# Altium PCB pay-ssm-v4-1.PcbDoc (part 1 of 2) (continued)
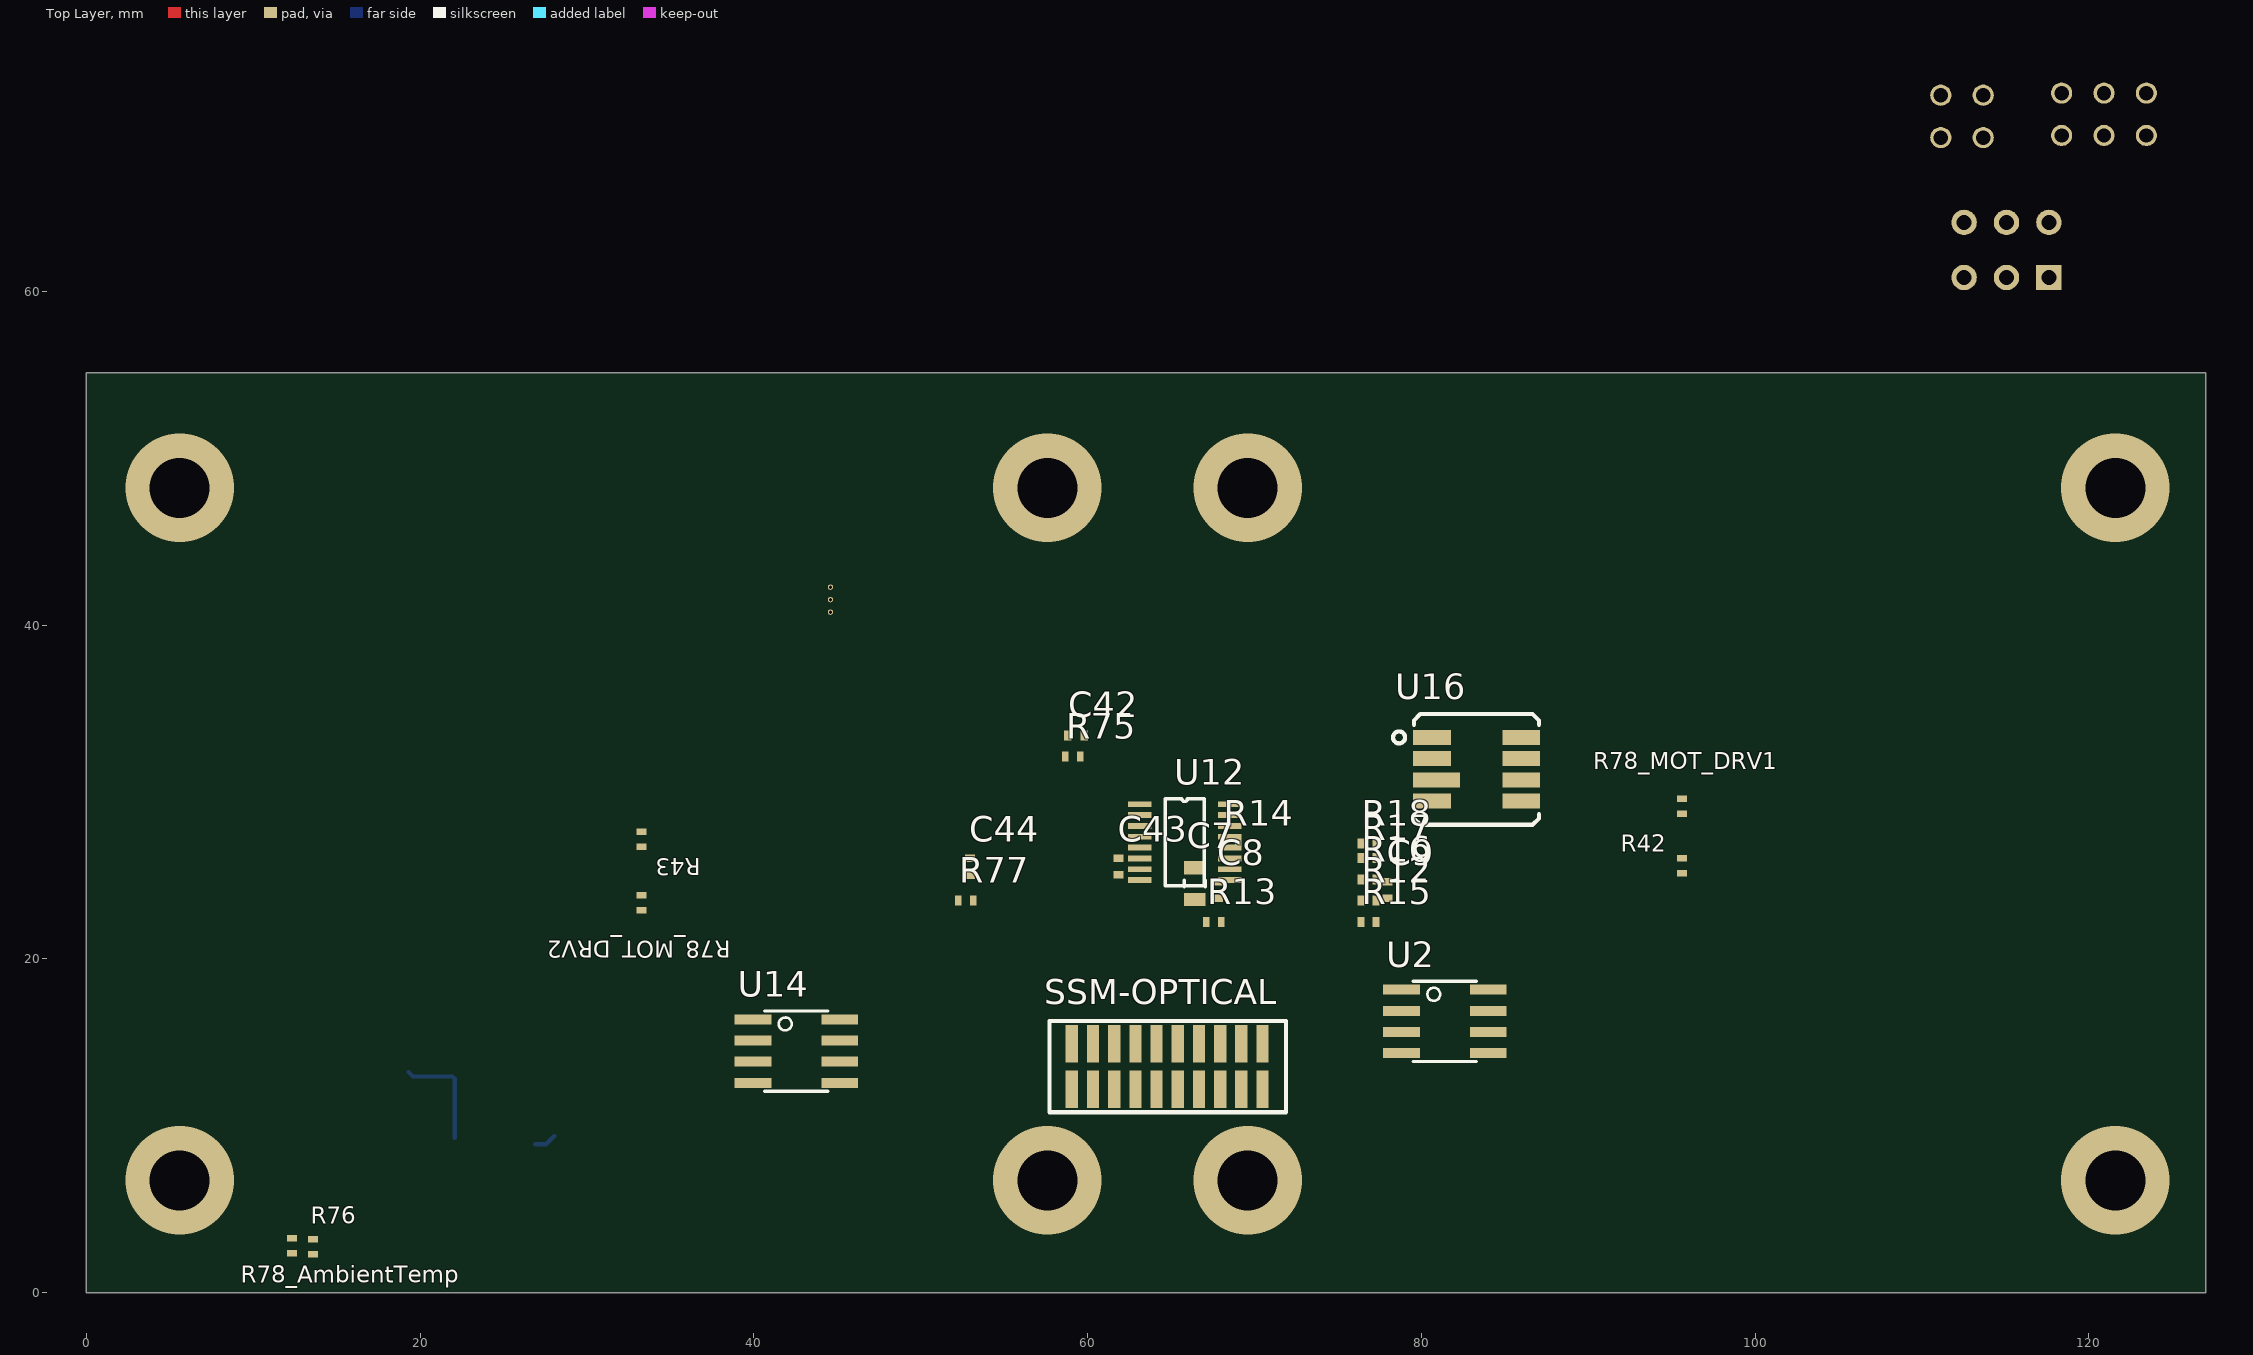
[diagram p0: Top Layer view]
## Classes and differential pairs
net class MF_THM2_IN[1..6]: MF_THM2_IN6
component class Current_Monitor: C44_Current_Monitor U11_Current_Monitor
component class MOTOR_DRV2: C36 C37 C38 C39 C40 MOTOR_DRV2 nSLEEP R48 R49 R50 R51 R52 R53 R54 R55 R56 R57 R58 R59 R60 R61 R62 R63 R65
component class MOTOR_DRV1: C36 C37 C38 C39 C40 MOTOR_DRV1 nSLEEP R48 R49 R50 R51 R52 R53 R54 R55 R56 R57 R58 R59 R60 R61 R62 R63 R65
component class Port_Expander2: C41_Port_Expander2 R67_Port_Expander2 R68_Port_Expander2 R69 R70 R71 R72 R73 R74 U8_Port_Expander2
component class Port_Expander1: C41_Port_Expander1 R67_Port_Expander1 R68_Port_Expander1 R69_Port_Expander1 R70_Port_Expander1 R71_Port_Expander1 R72_Port_Expander1 R73_Port_Expander1 R74_Port_Expander1 U8_Port_Expander1
component class micro-circuit-: C46 D2 D3 D4 D5 D6 D7 R79 R80 R81 R82 R83 R84 R85 U12
component class ADC2: C10 C11 C12 C13 C14 R19 R20 R21 R22 R23 U3 U4
component class ADC1: C10_ADC1 C11_ADC1 C12 C13_ADC1 C14_ADC1 R19_ADC1 R20_ADC1 R21_ADC1 R22_ADC1 R23_ADC1 U3_ADC1 U4_ADC1
channel class "Port Expander Breakout": PEX1 PEX2
channel class "Heater Control": HEATER1 HEATER2 HEATER3 HEATER4 HEATER5
channel class DRV8834: MOTOR_DRV1 MOTOR_DRV2
channel class curr-mon-INA214-Q1: Current_Monitor_Buck
channel class "ADC Breakout": ADC2 ADC13
channel class adc-circuit-ADS7952: ADC11 ADC12
channel class adc-ADS7952: ADS79521 ADS79522
net class MF_THM1_IN[1..6]: MF_THM1_IN6
net class MF2_THM[1..6]: MF2_THM1 MF2_THM2 MF2_THM3 MF2_THM4 MF2_THM5 MF2_THM6
net class MF1_THM[1..6]: MF1_THM1 MF1_THM2 MF1_THM3 MF1_THM4 MF1_THM5 MF1_THM6
component class TOP: BATT2HEAT BATT2MOT R1 R2 R4 R5 R6 R8 R9 R10 SSM-OPTICAL
component class THERMISTORS: J12 J13 J14 J15
component class MOTORS: MOTOR1 R42 R43
component class MOTOR_TEMP12: R78_MOT_DRV1
component class MOTOR_TEMP11: R78_MOT_DRV2
component class MF_THM2_17: R78
component class MF_THM2_16: R78
component class MF_THM2_15: R78
component class MF_THM2_13: R78
component class MF_THM2_12: R78
component class MF_THM1_11: R78_MF_THM1_11
component class MF_THM1_10: R78_MF_THM1_10
component class MF_THM1_9: R78_MF_THM1_9
component class MF_THM1_8: R78_MF_THM1_8
component class MF_THM1_7: R78_MF_THM1_7
component class MF_THM1_6: R78_MF_THM1_6
component class HEATER_PWR: Buck-6V C31 C32 C33 C34 C35 R37 R38 R39 R40 R41
component class HEATER5: HEATER5 Q1 Q2 R65 R66
component class HEATER4: HEATER4 Q1 Q2 R65 R66
component class HEATER3: HEATER3 Q1 Q2 R65 R66
component class HEATER2: HEATER2 Q1 Q2 R65 R66
component class HEATER1: HEATER1 Q1 Q2 R65 R66
component class General_Temp_Sense: R78_AmbientTemp
component class Buck_Temperature: R78
component class ADS79522: ADC2 C15 C16 C17 C18 R24
component class ADS79521: C15_ADS79521 C16_ADS79521 C17_ADS79521 C18_ADS79521 R24_ADS79521 U5_ADS79521
component class CAN_Transciever: C7 C8 C9 R12 R13 R14 R15 R16 R17 R18 U2
channel class thermistor-input-10k: ADC1_Temp_Sense ADC2_Temp_Sense Boost_Temp_Sense CIN6 CIN7 CIN8 CIN9 CIN10 CIN11 CIN12 CIN13 CIN14 CIN15 CIN16 CIN17 Motor_Driver_Temp_Sense1 Motor_Driver_Temp_Sense2
channel class pex-MCP23S17: Port_Expander_Motor Port_Expander_Thermal
component class MOTOR_FB: BOT_SW1 J8 J10 R44 R45 R46 R47 TOP_SW1
component class MCU_64M1: J3 J4 S1 S2
component class ENV_SENSORS: C42 C43 C44 R75 R76 R77 U14 U15 U16
component class Current_Monitor_Buck: C45 U8 U11
component class Boost_Temp_Sense: R47_Boost_Temp_Sense R78
component class BOOST: BATT2BST BOOST-10V C19 C20 C21 C22 C23 C24 C25 C26 C27 C28 C29 C30 L2 R25 R26 R27 R28 R29 R30 R31 R32 R33 R34 R35 R36
component class ATMEGA64M1: C1 C2 C3 C4 C5 C6 L1 R11 U1 Y1

## Components (designator, comment, footprint, x,y, rotation, side; value= is the part's Value field where it differs from the comment)
ADC2 "ADS7952" QFN50P500X500X100-33 16.867,14.982 r90 bottom (schematic designator U5)
BATT2BST "0603" RES0603R 94.996,37.465 r0 bottom value="0 26A" (schematic designator R86)
BATT2HEAT "0603" RES0603R 85.725,53.34 r180 bottom value="0 26A" (schematic designator R7)
BATT2MOT "0603" RES0603R 88.138,49.657 r270 bottom value="0 26A" (schematic designator R3)
BOOST-10V "TPS61088" QFN50P450X350X100-21N 82.203,39.485 r180 bottom (schematic designator BT1)
BOT_SW1 "DF13A-2P-1.25H(21)" DF13A-2P-1.25H(21) 77.778,6.856 r0 bottom (schematic designator J9)
Buck-6V "TPS82140" TPS82140-8microSiP 44.591,41.529 r180 bottom (schematic designator U6)
C1 "0805" CAP0805R 58.928,27.432 r90 bottom value=10uF
C2 "0402" CAP0402R 60.198,27.432 r90 bottom value=0.1uF
C3 "0402" CAP0402R 72.525,25.273 r0 bottom value=0.1uF
C4 "0402" CAP0402R 72.517,26.162 r0 bottom value=0.1uF
C5 "0402" CAP0402R 57.912,19.677 r270 bottom value=22pF
C6 "0402" CAP0402R 65.786,19.431 r90 bottom value=22pF
C7 "0805" CAP0805R 66.421,24.511 r270 top value=10uF
C8 "0402" CAP0402R 67.818,24.13 r270 top value=0.1uF
C9 "0402" CAP0402R 77.978,24.122 r90 top value=47pF
C10 "0402" CAP0402R 26.9,9.394 r270 bottom value=0.1uF
C10_ADC1 "0402" CAP0402R 111.633,13.851 r90 bottom value=0.1uF (schematic designator C10)
C11 "0402" CAP0402R 22.836,10.91 r270 bottom value=220pF
C11_ADC1 "0402" CAP0402R 106.807,13.843 r270 bottom value=220pF (schematic designator C11)
C12 "0805" CAP0805R 31.345,33.651 r180 bottom value=10uF
C12 "0805" CAP0805R 105.918,16.891 r270 bottom value=10uF
C13 "0603" CAP0603R 30.837,18.792 r90 bottom value=1uF
C13_ADC1 "0603" CAP0603R 113.284,15.748 r180 bottom value=1uF (schematic designator C13)
C14 "0805" CAP0805R 23.852,16.76 r180 bottom value="10uF 1-1.5 ESR"
C14_ADC1 "0805" CAP0805R 113.03,17.653 r90 bottom value="10uF 1-1.5 ESR" (schematic designator C14)
C15 "0603" CAP0603R 22.352,18.796 r0 bottom value=1uF
C15_ADS79521 "0603" CAP0603R 115.824,18.923 r0 bottom value=1uF (schematic designator C15)
C16 "0603" CAP0603R 22.352,19.812 r0 bottom value=1uF
C16_ADS79521 "0603" CAP0603R 115.824,20.066 r0 bottom value=1uF (schematic designator C16)
C17 "0603" CAP0603R 21.185,15.236 r180 bottom value=1uF
C17_ADS79521 "0603" CAP0603R 107.569,21.082 r180 bottom value=1uF (schematic designator C17)
C18 "0805" CAP0805R 20.804,12.762 r90 bottom value=10uF
C18_ADS79521 "0805" CAP0805R 117.729,19.812 r90 bottom value=10uF (schematic designator C18)
C19 "0603" CAP0603R 86.245,38.608 r180 bottom value="0.1uF 50V X7R"
C20 "0402" CAP0402R 86.233,36.576 r90 bottom value="0.1uF 10V X7R"
C21 "2220" CAP2220 65.786,40.513 r90 bottom value="22uF 25V X7R"
C22 "1206" CAP1206R 92.456,35.965 r90 bottom value="10uF 50V X5R"
C23 "1206" CAP1206R 90.17,35.965 r90 bottom value="10uF 50V X5R"
C24 "2220" CAP2220 71.882,40.513 r90 bottom value="22uF 25V X7R"
C25 "0603" CAP0603R 82.169,43.434 r0 bottom value="1uF 16V X7R"
C26 "0402" CAP0402R 75.692,41.91 r270 bottom value="820pF 50V X7R"
C27 "0402" CAP0402R 85.344,36.576 r90 bottom value="8.2nF 16V X7R"
C28 "2220" CAP2220 59.817,40.513 r90 bottom value="22uF 25V X7R"
C29 "0402" CAP0402R 77.597,41.91 r270 bottom value="39pF 25V C0G"
C30 "0402" CAP0402R 78.359,36.838 r90 bottom value="0.1uF 10V X7R"
C31 "1206" CAP1206R 44.069,38.735 r180 bottom value="22uF 10V X7S"
C32 "1206" CAP1206R 44.069,36.703 r180 bottom value="22uF 10V X7S"
C33 "1206" CAP1206R 50.292,40.894 r90 bottom value="10uF 35V X7R"
C34 "1206" CAP1206R 48.133,40.894 r90 bottom value="10uF 35V X7R"
C35 "0402" CAP0402R 42.418,42.672 r270 bottom value="220pF 50V X7R"
C36 "0402" CAP0402R 91.059,26.289 r180 bottom value="10000pF 25V"
C36 "0402" CAP0402R 38.1,26.289 r0 bottom value="10000pF 25V"
C37 "1206" CAP1206R 85.963,24.761 r0 bottom value="10uF 25V"
C37 "1206" CAP1206R 42.785,27.727 r180 bottom value="10uF 25V"
C38 "1206" CAP1206R 85.963,26.666 r0 bottom value="10uF 25V"
C38 "1206" CAP1206R 42.785,25.822 r180 bottom value="10uF 25V"
C39 "1206" CAP1206R 85.963,28.571 r0 bottom value="10uF 25V"
C39 "1206" CAP1206R 42.785,23.917 r180 bottom value="10uF 25V"
C40 "0603" CAP0603R 90.678,28.448 r180 bottom value="2.2uF 6.3V X7R"
C40 "0603" CAP0603R 38.07,24.04 r0 bottom value="2.2uF 6.3V X7R"
C41_Port_Expander1 "0402" CAP0402R 51.427,21.101 r0 bottom value=0.1uF (schematic designator C41)
C41_Port_Expander2 "0402" CAP0402R 43.696,29.083 r180 bottom value=0.1uF (schematic designator C41)
C42 "0402" CAP0402R 59.309,33.401 r0 top value="0.1uF 6.3V X7R"
C43 "0402" CAP0402R 61.849,25.535 r90 top value="0.22uF 6.3V X7R"
C44 "0402" CAP0402R 52.959,25.527 r270 top value="0.1uF 6.3V X7R"
C45 "0402" CAP0402R 91.44,46.474 r270 bottom value=0.1uF
C45 "0402" CAP0402R 40.005,34.29 r270 bottom value=0.1uF
C46 "0402" CAP0402R 68.961,15.875 r0 bottom value=0.1uF
D2 "LED0603" LED0603 57.461,14.605 r0 bottom
D3 "LED0603" LED0603 57.461,13.208 r0 bottom
D4 "LED0603" LED0603 57.461,11.684 r0 bottom
D5 "LED0603" LED0603 71.952,11.684 r180 bottom
D6 "LED0603" LED0603 71.952,13.335 r180 bottom
D7 "LED0603" LED0603 71.952,14.732 r180 bottom
EPS-PAY "DF13A-15P-1.25H(21)" DF13A-15P-1.25H(21) 105.29,48.133 r180 bottom (schematic designator J1)
HEATER1 "DF13A-2P-1.25H(21)" DF13A-2P-1.25H(21) 46.917,48.008 r180 bottom (schematic designator J11)
HEATER2 "DF13A-2P-1.25H(21)" DF13A-2P-1.25H(21) 14.341,48.387 r180 bottom (schematic designator J11)
HEATER3 "DF13A-2P-1.25H(21)" DF13A-2P-1.25H(21) 30.407,48.008 r180 bottom (schematic designator J11)
HEATER4 "DF13A-2P-1.25H(21)" DF13A-2P-1.25H(21) 22.679,48.389 r180 bottom (schematic designator J11)
HEATER5 "DF13A-2P-1.25H(21)" DF13A-2P-1.25H(21) 38.662,48.008 r180 bottom (schematic designator J11)
J3 "SLW-103-01-G-D" SLW-103-01-X-D 120.904,70.612 r180 bottom
J4 "SLW-102-01-G-D" SLW-102-01-X-D 112.395,70.485 r180 bottom
J8 "DF13A-2P-1.25H(21)" DF13A-2P-1.25H(21) 42.472,6.856 r0 bottom
J10 "DF13A-2P-1.25H(21)" DF13A-2P-1.25H(21) 50.238,6.983 r0 bottom
J12 "DF13A-6P-1.25H(51)-ND" DF13A-6P-1.25H(51)-ND 97.196,4.041 r0 bottom
J13 "DF13A-6P-1.25H(51)-ND" DF13A-6P-1.25H(51)-ND 112.014,4.064 r0 bottom
J14 "DF13A-6P-1.25H(51)-ND" DF13A-6P-1.25H(51)-ND 31.506,3.875 r0 bottom
J15 "DF13A-6P-1.25H(51)-ND" DF13A-6P-1.25H(51)-ND 17.145,4.191 r0 bottom
L1 "0603" RES0603R 72.771,24.257 r0 bottom value=10uH
L2 "XAL6020-112MEB" XAL6020-112MEB 90.678,41.656 r180 bottom value="1.1uH 20% 12A"
MOTOR1 "DF13A-4P-1.25H(51)" DF13A-4P-1.25H(51) 9.144,24.511 r90 bottom (schematic designator J5)
MOTOR2 "DF13A-4P-1.25H(51)" DF13A-4P-1.25H(51) 116.078,28.448 r270 bottom (schematic designator J6)
MOTOR_DRV1 "DRV8834" SOP65P640X120-25N 33.133,25.314 r0 bottom (schematic designator U7)
MOTOR_DRV2 "DRV8834" SOP65P640X120-25N 95.615,27.174 r180 bottom (schematic designator U7)
nSLEEP "LED0603" LED0603 97.155,32.004 r180 bottom (schematic designator D1)
nSLEEP "LED0603" LED0603 31.593,20.484 r0 bottom (schematic designator D1)
Q1 "N-MOS" SOT95P280X145-6N 8.326,42.672 r180 bottom
Q1 "N-MOS" SOT95P280X145-6N 33.274,42.799 r180 bottom
Q1 "N-MOS" SOT95P280X145-6N 26.797,42.799 r180 bottom
Q1 "N-MOS" SOT95P280X145-6N 20.574,42.799 r180 bottom
Q1 "N-MOS" SOT95P280X145-6N 14.351,42.672 r180 bottom
Q2 "N-MOS" SOT95P280X145-6N 8.326,38.862 r180 bottom
Q2 "N-MOS" SOT95P280X145-6N 33.274,38.989 r180 bottom
Q2 "N-MOS" SOT95P280X145-6N 26.797,38.989 r180 bottom
Q2 "N-MOS" SOT95P280X145-6N 20.574,38.989 r180 bottom
Q2 "N-MOS" SOT95P280X145-6N 14.351,38.862 r180 bottom
R1 "0402" RES0402R 114.173,46.228 r270 bottom value=0
R2 "0402" RES0402R 112.903,46.228 r270 bottom value=0
R4 "0402" RES0402R 110.49,46.228 r270 bottom value=100
R5 "0402" RES0402R 109.093,46.228 r270 bottom value=100
R6 "0402" RES0402R 107.823,46.228 r270 bottom value=100
R8 "0402" RES0402R 104.013,46.101 r270 bottom value=100
R9 "0402" RES0402R 102.87,46.101 r270 bottom value=100
R10 "0402" RES0402R 101.6,46.17 r270 bottom value=100
R11 "0402" RES0402R 72.644,29.083 r270 bottom value=30K
R12 "0402" RES0402R 76.835,23.495 r180 top value=60.4
R13 "0402" RES0402R 67.564,22.225 r180 top value=100
R14 "0402" RES0402R 68.58,26.924 r180 top value=100
R15 "0402" RES0402R 76.835,22.225 r0 top value=100
R16 "0402" RES0402R 76.835,24.765 r180 top value=60.4
R17 "0402" RES0402R 76.835,26.035 r0 top value=0
R18 "0402" RES0402R 76.835,26.924 r180 top value=0
R19 "0402" RES0402R 24.614,19.046 r270 bottom value=100
R19_ADC1 "0402" RES0402R 110.109,21.082 r90 bottom value=100 (schematic designator R19)
R20 "0402" RES0402R 20.804,16.252 r180 bottom value=100
R20_ADC1 "0402" RES0402R 119.634,19.177 r90 bottom value=100 (schematic designator R20)
R21 "0402" RES0402R 22.836,9.386 r90 bottom value=100
R21_ADC1 "0402" RES0402R 107.696,13.843 r270 bottom value=100 (schematic designator R21)
R22 "0402" RES0402R 20.804,17.014 r180 bottom value=100
R22_ADC1 "0402" RES0402R 120.396,19.177 r90 bottom value=100 (schematic designator R22)
R23 "0402" RES0402R 25.376,19.046 r270 bottom value=100
R23_ADC1 "0402" RES0402R 121.158,19.177 r90 bottom value=100 (schematic designator R23)
R24 "0402" RES0402R 23.852,19.046 r90 bottom value=10K
R24_ADS79521 "0402" RES0402R 109.347,21.082 r270 bottom value=10K (schematic designator R24)
R25 "0603" RES0603R 86.245,39.751 r180 bottom value="0 26A"
R26 "0805" RES0805R 85.725,41.783 r270 bottom value="215K 1%"
R27 "0402" RES0402R 78.867,40.767 r0 bottom value=0ohm
R28 "0805" RES0805R 86.614,47.371 r90 bottom value="8m 1% 1/2W"
R29 "0805" RES0805R 78.867,43.434 r270 bottom value="102K 1%"
R30 "0402" RES0402R 77.666,39.116 r0 bottom value="453K 1%"
R31 "0402" RES0402R 78.867,41.529 r0 bottom value=0ohm
R32 "0402" RES0402R 78.74,38.227 r0 bottom value="3K 1%"
R33 "0805" RES0805R 76.073,40.259 r0 bottom value="44.2K 1%"
R34 "0603" RES0603R 77.216,37.211 r90 bottom value="62K 1%"
R35 "0402" RES0402R 79.248,36.957 r90 bottom value="1K 1%"
R36 "0402" RES0402R 78.486,32.639 r0 bottom value="10K Thermistor"
R37 "0805" RES0805R 38.227,40.132 r0 bottom value="0.02 1% 1/2W"
R38 "0402" RES0402R 41.402,40.64 r90 bottom value="100K 1% 1/16W"
R39 "0402" RES0402R 39.624,41.529 r180 bottom value="649K 1%"
R40 "0402" RES0402R 41.402,42.672 r90 bottom value="100K 1% 1/16W"
R41 "0402" RES0402R 43.307,34.544 r270 bottom value="10K NTC"
R42 "0402" RES0402R 95.631,25.585 r90 top value="10K NTC"
R43 "0402" RES0402R 33.274,27.178 r270 top value="10K NTC"
R44 "0402" RES0402R 100.076,7.874 r0 bottom value=10K
R45 "0402" RES0402R 27.305,7.874 r180 bottom value=10K
R46 "0402" RES0402R 104.579,31.369 r180 bottom value=10K
R47 "0402" RES0402R 35.433,7.874 r180 bottom value=10K
R48 "0402" RES0402R 90.043,25.273 r180 bottom value=10K
R48 "0402" RES0402R 38.705,27.215 r0 bottom value=10K
R49 "0402" RES0402R 89.916,31.369 r180 bottom value="1K 1%"
R49 "0402" RES0402R 38.832,21.119 r0 bottom value="1K 1%"
R50 "0402" RES0402R 89.916,30.607 r0 bottom value="200 1%"
R50 "0402" RES0402R 38.832,21.881 r180 bottom value="200 1%"
R51 "0402" RES0402R 90.043,24.511 r180 bottom value=10K
R51 "0402" RES0402R 38.705,27.977 r0 bottom value=10K
R52 "0402" RES0402R 90.043,23.749 r0 bottom value=10K
R52 "0402" RES0402R 38.705,28.739 r180 bottom value=10K
R53 "0402" RES0402R 100.457,31.242 r180 bottom value=10K
R53 "0402" RES0402R 28.291,21.246 r0 bottom value=10K
R54 "0805" RES0805R 104.394,25.654 r180 bottom value="0.2 1% 1/4W"
R54 "0805" RES0805R 24.354,26.834 r0 bottom value="0.2 1% 1/4W"
R55 "0805" RES0805R 104.394,24.13 r180 bottom value="0.2 1% 1/4W"
R55 "0805" RES0805R 24.354,28.358 r0 bottom value="0.2 1% 1/4W"
R56 "0805" RES0805R 104.394,29.464 r180 bottom value="0.2 1% 1/4W"
R56 "0805" RES0805R 24.354,23.024 r0 bottom value="0.2 1% 1/4W"
R57 "0805" RES0805R 104.394,27.94 r180 bottom value="0.2 1% 1/4W"
R57 "0805" RES0805R 24.354,24.548 r0 bottom value="0.2 1% 1/4W"
R58 "0402" RES0402R 101.6,23.495 r180 bottom value=10K
R58 "0402" RES0402R 27.051,28.829 r0 bottom value=10K
R59 "0402" RES0402R 93.091,8.89 r180 bottom value=10K
R59 "0402" RES0402R 27.432,29.591 r0 bottom value=10K
R60 "0402" RES0402R 81.534,9.652 r0 bottom value=10K
R60 "0402" RES0402R 38.677,29.591 r180 bottom value=10K
R61 "0402" RES0402R 93.091,8.128 r180 bottom value=10K
R61 "0402" RES0402R 28.067,30.353 r0 bottom value=10K
R62 "0402" RES0402R 100.457,29.718 r180 bottom value="50K 1%"
R62 "0402" RES0402R 28.291,22.77 r0 bottom value="50K 1%"
R63 "0402" RES0402R 100.457,30.48 r180 bottom value="50K 1%"
R63 "0402" RES0402R 28.291,22.008 r0 bottom value="50K 1%"
R64 "0402" RES0402R 91.059,18.669 r180 bottom value=330
R64 "0402" RES0402R 29.18,20.484 r0 bottom value=330
R65 "0402" RES0402R 5.913,40.259 r90 bottom value=10K
R65 "0402" RES0402R 30.861,40.386 r90 bottom value=10K
R65 "0402" RES0402R 24.384,40.386 r90 bottom value=10K
R65 "0402" RES0402R 18.161,40.386 r90 bottom value=10K
R65 "0402" RES0402R 11.938,40.259 r90 bottom value=10K
R66 "0402" RES0402R 35.814,37.084 r270 bottom value=10K
R66 "0402" RES0402R 29.337,37.592 r270 bottom value=10K
R66 "0402" RES0402R 23.114,37.592 r270 bottom value=10K
R66 "0402" RES0402R 16.891,37.465 r270 bottom value=10K
R66 "0402" RES0402R 10.866,37.465 r270 bottom value=10K
R67_Port_Expander1 "0402" RES0402R 53.078,21.101 r180 bottom value=10K (schematic designator R67)
R67_Port_Expander2 "0402" RES0402R 42.045,29.083 r0 bottom value=10K (schematic designator R67)
R68_Port_Expander1 "0402" RES0402R 55.245,26.797 r180 bottom value=10K (schematic designator R68)
R68_Port_Expander2 "0402" RES0402R 38.361,23.114 r0 bottom value=10K (schematic designator R68)
R69 "0402" RES0402R 36.398,24.892 r270 bottom value=0
R69_Port_Expander1 "0402" RES0402R 57.015,25.292 r90 bottom value=0 (schematic designator R69)
R70 "0402" RES0402R 37.414,24.892 r270 bottom value=0
R70_Port_Expander1 "0402" RES0402R 55.999,25.292 r90 bottom value=0 (schematic designator R70)
R71 "0402" RES0402R 38.43,24.892 r270 bottom value=0
R71_Port_Expander1 "0402" RES0402R 54.983,25.292 r90 bottom value=0 (schematic designator R71)
R72 "0402" RES0402R 36.322,26.416 r270 bottom value=0
R72_Port_Expander1 "0402" RES0402R 57.015,23.768 r90 bottom value=0 (schematic designator R72)
R73 "0402" RES0402R 37.414,26.416 r270 bottom value=0
R73_Port_Expander1 "0402" RES0402R 55.999,23.768 r90 bottom value=0 (schematic designator R73)
R74 "0402" RES0402R 38.43,26.416 r270 bottom value=0
R74_Port_Expander1 "0402" RES0402R 54.983,23.768 r90 bottom value=0 (schematic designator R74)
R75 "0402" RES0402R 59.113,32.131 r180 top value="10K 5%"
R76 "0402" RES0402R 13.589,2.757 r270 top value="10K NTC"
R77 "0402" RES0402R 52.705,23.495 r180 top value="10K 5%"
R78 "0402" RES0402R 19.661,26.158 r180 bottom value="10K 0.1%"
R78 "0402" RES0402R 19.661,18.665 r180 bottom value="10K 0.1%"
R78 "0402" RES0402R 19.661,21.078 r180 bottom value="10K 0.1%"
R78 "0402" RES0402R 19.661,23.618 r180 bottom value="10K 0.1%"
R78 "0402" RES0402R 19.661,31.111 r180 bottom value="10K 0.1%"
R78 "0402" RES0402R 42.418,34.544 r90 bottom value="10K 0.1%"
R78 "0402" RES0402R 78.486,33.528 r180 bottom value="10K 0.1%"
R78_ "0402" RES0402R 19.661,28.698 r180 bottom value="10K 0.1%" (schematic designator R78)
R78_AmbientTemp "0402" RES0402R 12.319,2.815 r90 top value="10K 0.1%" (schematic designator R78)
R78_MF_THM1_6 "0402" RES0402R 111.887,21.267 r90 bottom value="10K 0.1%" (schematic designator R78)
R78_MF_THM1_7 "0402" RES0402R 110.998,21.267 r90 bottom value="10K 0.1%" (schematic designator R78)
R78_MF_THM1_8 "0402" RES0402R 110.109,21.336 r90 bottom value="10K 0.1%" (schematic designator R78)
R78_MF_THM1_9 "0402" RES0402R 109.093,21.336 r90 bottom value="10K 0.1%" (schematic designator R78)
R78_MF_THM1_10 "0402" RES0402R 108.077,21.336 r90 bottom value="10K 0.1%" (schematic designator R78)
R78_MF_THM1_11 "0402" RES0402R 107.061,21.336 r90 bottom value="10K 0.1%" (schematic designator R78)
R78_MOT_DRV1 "0402" RES0402R 95.631,29.141 r270 top value="10K 0.1%" (schematic designator R78)
R78_MOT_DRV2 "0402" RES0402R 33.274,23.368 r90 top value="10K 0.1%" (schematic designator R78)
R79 "0402" RES0402R 68.961,14.986 r0 bottom value=10K
R80 "0402" RES0402R 60.071,14.605 r180 bottom value=330
R81 "0402" RES0402R 60.071,13.208 r180 bottom value=330
R82 "0402" RES0402R 60.071,11.938 r180 bottom value=330
R83 "0402" RES0402R 68.961,11.303 r0 bottom value=330
R84 "0402" RES0402R 68.961,12.7 r180 bottom value=330
R85 "0402" RES0402R 68.961,13.97 r180 bottom value=330
S1 "DPDT" "JS202011AQN - Slide Switch" 115.062,62.484 r90 bottom
S2 "SW-PB" "PTS830GM140 SMTR LFS - Pushbutton" 122.809,60.833 r90 bottom
SSM-OPTICAL "SFMC-110-02-L-D" SFMC-110-02-L-D 64.77,13.551 r180 top (schematic designator J2)
TOP_SW1 "DF13A-2P-1.25H(21)" DF13A-2P-1.25H(21) 86.179,6.983 r0 bottom (schematic designator J7)
U1 "ATMEGA64M1" QFP80P900X900X120-32 66.04,27.051 r180 bottom
U2 "SN65HVD233D" SOIC127P500X600-8N 81.407,16.256 r270 top
U3 "AD8613" SOP65P200X125-5N 26.752,18.314 r0 bottom
U3_ADC1 "AD8613" SOP65P200X125-5N 108.817,12.349 r0 bottom (schematic designator U3)
U4 "REF5025" SOP65P300X125-8N 26.94,22.602 r270 bottom
U4_ADC1 "REF5025" SOP65P300X125-8N 107.442,16.168 r0 bottom (schematic designator U4)
U5_ADS79521 "ADS7952" QFN50P500X500X100-33 118.364,15.24 r0 bottom (schematic designator U5)
U8_Port_Expander1 "MCP23S17-QFN" QFN65P600X600X100-29 50.579,25.18 r90 bottom (schematic designator U8)
U8_Port_Expander2 "MCP23S17-QFN" QFN65P600X600X100-29 42.834,25.004 r270 bottom (schematic designator U8)
U11 "INA214CQDCKRQ1" "TI-SOT-SC70 (DCK)" 89.535,46.736 r180 bottom
U11 "INA214CQDCKRQ1" "TI-SOT-SC70 (DCK)" 37.973,34.544 r180 bottom
U12 "SN74HC365PW" SOP65P640X120-16N 63.119,29.27 r0 top
U14 "HIH7131" SOIC127P500X600-8N 42.545,14.478 r270 top (schematic designator U10)
U16 "MS5803-05BA" MS5803_125P640x620-8N 83.312,31.369 r0 top (schematic designator U9)
Y1 "8MHz Crystal" OSCSC500X320X110-4N 61.849,19.685 r90 bottom

## Footprints (in the part's own frame and the unit in brackets; to place one, negate y for a bottom-side part, rotate by r counter-clockwise, add the part's x,y. Pads: shape width x height; smd on the part's side, far side on the other; paste and mask are expansions set on the pad)
CAP0402R [mm] "Capacitor 0402 reflow soldering"
  rect 0.45x0.6 smd mask+0: 1(-0.5,0) 2(0.5,0)
  body extent -0.5,-0.3 0.5,0.3, height 0.2
CAP0603R [mm] "capacitor 0603 reflow soldering"
  rect 0.6x0.8 smd mask+0: 1(-0.7,0) 2(0.7,0)
  body extent -0.8,-0.4 0.8,0.4, height 0.3
CAP0805R [mm] "capacitor 0805 reflow soldering"
  rect 0.8x1.3 smd mask+0: 1(-0.95,0) 2(0.95,0)
  silkscreen extent -0.2,-0.63 0.2,0.63, body extent -1,-0.63 1,0.63, height 0.78
CAP1206R [mm] "capacitor 1206 reflow soldering"
  rect 1x1.6 smd mask+0: 1(-1.5,0) 2(1.5,0)
  silkscreen extent -0.5,-0.8 0.5,0.8, body extent -1.6,-0.8 1.6,0.8, height 1
CAP2220 [mm] "CAP CER 2220"
  rect 1.88x5.41 smd: 1(-2.738,0) 2(2.738,0)
  silkscreen extent -1.48,-2.7 1.48,2.7, body extent -2.86,-2.79 2.86,2.79, height 2.8
DF13A-2P-1.25H(21) [mm] "2 pos, 1.25mm pitch DF13 connector (H125743CT-ND)"
  rect 0.7x1.8 smd: 1(-0.625,0) 2(0.625,0)
  rect 1.6x2.2 smd: ""(-2.975,3.3) ""(2.975,3.3)
  silkscreen extent -3.58,-0.48 3.58,6.02, body extent -3.58,-0.48 3.57,6.79, height 3.58
DF13A-4P-1.25H(51) [mm] "4 pos, 1.25mm pitch DF13 connector (H125779CT-ND)"
  rect 0.7x1.8 smd: 1(-0.625,-1.956) 2(0.625,-1.956) 3(1.875,-1.956) 4(3.125,-1.956)
  rect 1.6x2.2 smd: ""(-2.975,1.344) ""(5.475,1.344)
  silkscreen extent -3.61,-2.46 6.06,4.04, body extent -3.61,-2.46 6.04,4.75, height 3.58
DF13A-6P-1.25H(51)-ND [mm]
  rect 0.7x1.8 smd: 1(-3.125,-2.825) 2(-1.875,-2.825) 3(-0.625,-2.825) 4(0.625,-2.825) 5(1.875,-2.825) 6(3.125,-2.825)
  rect 1.6x2.2 smd: 7(-5.375,0.485) 8(5.375,0.485)
  silkscreen extent -4.57,-2.17 4.57,2.83, body extent -6.05,-3.63 6.1,2.87, height 3.58
DF13A-15P-1.25H(21) [mm] "15 pos, 1.25mm pitch DF13 connector (H125988CT-ND)"
  rect 0.7x1.8 smd: 1(-8.75,0) 2(-7.5,0) 3(-6.25,0) 4(-5,0) 5(-3.75,0) 6(-2.5,0) 7(-1.25,0) 8(0,0) 9(1.25,0) 10(2.5,0) 11(3.75,0) 12(5,0) 13(6.25,0) 14(7.5,0) 15(8.75,0)
  rect 1.6x2.2 smd: ""(-11.1,3.3) ""(11.1,3.3)
  silkscreen extent -11.86,-0.64 11.63,6.04, body extent -11.7,-0.5 11.7,6.76, height 3.58
"JS202011AQN - Slide Switch" [mil]
  rect 60x60 hole 35: 1(-65,100)
  round 60 hole 35: 2(-65,0) 3(-65,-100) 4(65,100) 5(65,0) 6(65,-100)
  silkscreen extent -150,-180 105,177, body extent -148,-178 128,176, height 139
LED0603 [mm] "0603 LED footprint, thick line on the cathode"
  rect 0.7x0.9 smd: 1(-0.75,0) 2(0.75,0)
  silkscreen extent -1.32,-0.67 1.52,0.67, body extent -0.8,-0.4 0.8,0.4, height 0.71
MS5803_125P640x620-8N [mm] "Footprint for the MS5803 family of pressure sensors"
  rect 2.25x0.9 smd: 1(-2.675,1.9) 2(-2.675,0.65) 4(-2.675,-1.9) 5(2.675,-1.9) 6(2.675,-0.65) 7(2.675,0.65) 8(2.675,1.9)
  rect 2.8x0.9 smd: 3(-2.4,-0.65)
  silkscreen extent -5.01,-3.33 3.73,3.3, body extent -3.17,-3.1 3.23,3.1, height 2.88
OSCSC500X320X110-4N [mm] "ABM3B-8.000MHZ-10-D-1-G-T Abracon 8MHz crystal"
  rect 1.2x1.8 smd: 1(-1.2,2) 2(-1.2,-2) 3(1.2,-2) 4(1.2,2)
  silkscreen extent -2.15,-2.67 1.65,3.15, body extent -1.6,-2.5 1.58,2.5, height 1.1
"PTS830GM140 SMTR LFS - Pushbutton" [mm] "Low profile pushbutton"
  rect 0.7x0.75 smd: 1(-1.6,0.825) 1(1.6,0.825) 2(-1.6,-0.825) 2(1.6,-0.825)
  silkscreen extent -1.92,-1.17 1.92,1.15, body extent -1.75,-1.3 1.75,1.3, height 1.4
QFN50P450X350X100-21N [mm]
  rect 0.26x0.9 smd: 1(-0.75,2.185) 10(-0.75,-2.185) 11(0.75,-2.185) 20(0.75,2.185)
  rect 0.9x0.26 smd: 2(-1.685,1.75) 3(-1.685,1.25) 4(-1.685,0.75) 5(-1.685,0.25) 6(-1.685,-0.25) 7(-1.685,-0.75) 8(-1.685,-1.25) 9(-1.685,-1.75) 12(1.685,-1.75) 13(1.685,-1.25) 14(1.685,-0.75) 15(1.685,-0.25) 16(1.685,0.25) 17(1.685,0.75) 18(1.685,1.25) 19(1.685,1.75)
  rect 2.07x3.07 smd: 21(0,0)
  silkscreen extent -1.75,-2.25 1.75,3.21
QFN50P500X500X100-33 [mm] "QFN + Pitch P + Body With X Body Length X Height - #Pins"
  rect 0.84x0.26 smd: 1(-2.435,1.75) 2(-2.435,1.25) 3(-2.435,0.75) 4(-2.435,0.25) 5(-2.435,-0.25) 6(-2.435,-0.75) 7(-2.435,-1.25) 8(-2.435,-1.75) 17(2.435,-1.75) 18(2.435,-1.25) 19(2.435,-0.75) 20(2.435,-0.25) 21(2.435,0.25) 22(2.435,0.75) 23(2.435,1.25) 24(2.435,1.75)
  rect 0.26x0.84 smd: 9(-1.75,-2.435) 10(-1.25,-2.435) 11(-0.75,-2.435) 12(-0.25,-2.435) 13(0.25,-2.435) 14(0.75,-2.435) 15(1.25,-2.435) 16(1.75,-2.435) 25(1.75,2.435) 26(1.25,2.435) 27(0.75,2.435) 28(0.25,2.435) 29(-0.25,2.435) 30(-0.75,2.435) 31(-1.25,2.435) 32(-1.75,2.435)
  rect 3.6x3.6 smd: 33(0,0)
  silkscreen extent -3.47,-2.5 2.5,2.5, body extent -2.55,-2.55 2.55,2.55, height 0.78
QFN65P600X600X100-29 [mm] "QFN + Pitch P + Body With X Body Length X Height - #Pins"
  rect 1.04x0.33 smd: 1(-2.835,1.95) 2(-2.835,1.3) 3(-2.835,0.65) 4(-2.835,0) 5(-2.835,-0.65) 6(-2.835,-1.3) 7(-2.835,-1.95) 15(2.835,-1.95) 16(2.835,-1.3) 17(2.835,-0.65) 18(2.835,0) 19(2.835,0.65) 20(2.835,1.3) 21(2.835,1.95)
  rect 0.33x1.04 smd: 8(-1.95,-2.835) 9(-1.3,-2.835) 10(-0.65,-2.835) 11(0,-2.835) 12(0.65,-2.835) 13(1.3,-2.835) 14(1.95,-2.835) 22(1.95,2.835) 23(1.3,2.835) 24(0.65,2.835) 25(0,2.835) 26(-0.65,2.835) 27(-1.3,2.835) 28(-1.95,2.835)
  rect 3.7x3.7 smd: 29(0,0)
  silkscreen extent -4.24,-3 3,3, body extent -3.05,-3.05 3.05,3.05, height 1
QFP80P900X900X120-32 [mm] "QFN + Pitch P + Body With X Body Length X Height - #Pins"
  rect 1.5x0.55 smd: 1(-4.3,2.8) 2(-4.3,2) 3(-4.3,1.2) 4(-4.3,0.4) 5(-4.3,-0.4) 6(-4.3,-1.2) 7(-4.3,-2) 8(-4.3,-2.8) 17(4.3,-2.8) 18(4.3,-2) 19(4.3,-1.2) 20(4.3,-0.4) 21(4.3,0.4) 22(4.3,1.2) 23(4.3,2) 24(4.3,2.8)
  rect 0.55x1.5 smd: 9(-2.8,-4.3) 10(-2,-4.3) 11(-1.2,-4.3) 12(-0.4,-4.3) 13(0.4,-4.3) 14(1.2,-4.3) 15(2,-4.3) 16(2.8,-4.3) 25(2.8,4.3) 26(2,4.3) 27(1.2,4.3) 28(0.4,4.3) 29(-0.4,4.3) 30(-1.2,4.3) 31(-2,4.3) 32(-2.8,4.3)
  silkscreen extent -3.4,-3.4 3.4,3.4, body extent -4.62,-4.62 4.63,4.63, height 1.2
RES0402R [mm] "resistor 0402 reflow soldering"
  rect 0.4x0.6 smd mask+0: 1(-0.45,0) 2(0.45,0)
  body extent -0.5,-0.25 0.5,0.25, height 0.3
RES0603R [mm] "resistor 0603 reflow soldering"
  rect 0.5x0.9 smd mask+0: 1(-0.75,0) 2(0.75,0)
  silkscreen extent -0.2,-0.5 0.2,0.5, body extent -0.8,-0.4 0.8,0.4, height 0.45
RES0805R [mm] "resistor 0805 reflow soldering"
  rect 0.7x1.3 smd mask+0: 1(-0.95,0) 2(0.95,0)
  silkscreen extent -0.2,-0.63 0.2,0.63, body extent -1,-0.63 1,0.62, height 0.5
SFMC-110-02-L-D [mil] "CONN RCPT 20POS 0.05 GOLD SMD"
  rect 29x88 smd: 1(225,-53.5) 2(225,53.5) 3(175,-53.5) 4(175,53.5) 5(125,-53.5) 6(125,53.5) 7(75,-53.5) 8(75,53.5) 9(25,-53.5) 10(25,53.5) 11(-25,-53.5) 12(-25,53.5) 13(-75,-53.5) 14(-75,53.5) 15(-125,-53.5) 16(-125,53.5) 17(-175,-53.5) 18(-175,53.5) 19(-225,-53.5) 20(-225,53.5)
  silkscreen extent -280,-108 278,108, body extent -257,-82 258,83, height 180
SLW-102-01-X-D [mil] "CONN RCPT 4POS 0.1 GOLD PCB"
  round 50 hole 34: 1(50,-50) 2(50,50) 3(-50,-50) 4(-50,50)
  silkscreen extent -120,-118 120,118, body extent -100,-98 100,98, height 180
SLW-103-01-X-D [mil] "CONN RCPT 6POS 0.1 GOLD PCB"
  round 50 hole 34: 1(100,-50) 2(100,50) 3(0,-50) 4(0,50) 5(-100,-50) 6(-100,50)
  silkscreen extent -170,-118 170,118, body extent -150,-98 150,98, height 180
SOIC127P500X600-8N [mm]
  rect 0.6x2.2 smd: 1(-1.905,-2.6) 2(-0.635,-2.6) 3(0.635,-2.6) 4(1.905,-2.6) 5(1.905,2.6) 6(0.635,2.6) 7(-0.635,2.6) 8(-1.905,2.6)
  silkscreen extent -2.4,-1.9 2.4,1.9, body extent -2.46,-2.67 2.44,2.69, height 2.03
SOP65P200X125-5N [mm] "SOP + Pitch P + Lead Span Nominal X Height - #Pins"
  rect 1x0.47 smd: 1(0,0) 2(0,-0.65) 3(0,-1.3) 4(1.8,-1.3) 5(1.8,0)
  silkscreen extent -0.42,-1.91 1.65,0.67, body extent -0.31,-1.74 2.08,1.02, height 1.7
SOP65P300X125-8N [mm] "SOP + Pitch P + Lead Span Nominal X Height - #Pins"
  rect 1.35x0.45 smd: 1(0,0) 2(0,-0.65) 3(0,-1.3) 4(0,-1.95) 5(3.95,-1.95) 6(3.95,-1.3) 7(3.95,-0.65) 8(3.95,0)
  silkscreen extent 0,-2.28 2.9,0.58, body extent -0.64,-2.47 4.51,0.53, height 0.95
SOP65P640X120-16N [mm] "SOP + Pitch P + Lead Span Nominal X Height - #Pins"
  rect 1.4x0.35 smd: 1(0,0) 2(0,-0.65) 3(0,-1.3) 4(0,-1.95) 5(0,-2.6) 6(0,-3.25) 7(0,-3.9) 8(0,-4.55) 9(5.4,-4.55) 10(5.4,-3.9) 11(5.4,-3.25) 12(5.4,-2.6) 13(5.4,-1.95) 14(5.4,-1.3) 15(5.4,-0.65) 16(5.4,0)
  silkscreen extent 1.53,-4.88 3.87,0.33, body extent -0.61,-4.84 5.99,0.27, height 1.2
SOP65P640X120-25N [mm] "SOP + Pitch P + Lead Span Nominal X Height - #Pins"
  rect 1.57x0.41 smd: 1(-2.87,3.575) 2(-2.87,2.925) 3(-2.87,2.275) 4(-2.87,1.625) 5(-2.87,0.975) 6(-2.87,0.325) 7(-2.87,-0.325) 8(-2.87,-0.975) 9(-2.87,-1.625) 10(-2.87,-2.275) 11(-2.87,-2.925) 12(-2.87,-3.575) 13(2.87,-3.575) 14(2.87,-2.925) 15(2.87,-2.275) 16(2.87,-1.625) 17(2.87,-0.975) 18(2.87,-0.325) 19(2.87,0.325) 20(2.87,0.975) 21(2.87,1.625) 22(2.87,2.275) 23(2.87,2.925) 24(2.87,3.575)
  rect 2.025x2.68 smd: 25(0,0)
  silkscreen extent -3.07,-3.9 2.2,4.47, body extent -3.2,-3.9 3.2,3.9, height 1.2
SOT95P280X145-6N [mil] "SOT + Pitch P + Nominal Lead Length X Height - #Pins"
  rect 50x22 smd: 1(-51,37) 2(-51,0) 3(-51,-37) 4(51,-37) 5(51,0) 6(51,37)
  silkscreen extent -21,48 21,60, body extent -59,-60 59,60, height 57
"TI-SOT-SC70 (DCK)" [mm] "IC CURR SENSE 1 CIRCUIT SC70-6"
  rect 0.85x0.35 smd: 1(-1.1,0.65) 2(-1.1,0) 3(-1.1,-0.65) 4(1.1,-0.65) 5(1.1,0) 6(1.1,0.65)
  silkscreen extent -2.4,0.4 -1.9,0.9, body extent -1.05,-1 1.05,1, height 1
TPS82140-8microSiP [mm] "DC/DC converter 0.9~6V 2A output 3~17V input"
  rect 0.61x0.5 smd: 1(-1.05,0.975) 2(-1.05,0.325) 3(-1.05,-0.325) 4(-1.05,-0.975) 5(1.05,-0.975) 6(1.05,-0.325) 7(1.05,0.325) 8(1.05,0.975)
  rect 1.1x1.9 smd: 9(0,0)
  round 0.32 hole 0.2: V1(0,0.75) V2(0,0) V3(0,-0.75)
  silkscreen extent -1.89,-1.5 1.4,1.5, body extent -1.52,-1.4 1.52,1.4, height 3.2
XAL6020-112MEB [mil] "Fixed Inductors 1.1uH 20% 12A 13.1mOhms AEC-Q200"
  rect 56x213 smd: 1(-79.5,0) 2(79.5,0)
  silkscreen extent -132,-136 132,136, body extent -129,-133 129,133, height 83

## Part data
ADC2 U5_ADS79521: "12 bit, 12 channel analog-to-digital converter with SPI interface.", Supplier Part Number 1=296-25842-1-ND, Supplier 1=Digi-Key
BATT2BST BATT2HEAT BATT2MOT R25: library part RES0603, "0603 resistor", Supplier Part Number 1=2019-TLRZ1JTTDCT-ND, Supplier 1=Digi-Key
BOOST-10V: "Boost converter", Supplier Part Number 1=296-42129-1-ND, Supplier 1=Digi-Key
BOT_SW1 HEATER1 HEATER2 HEATER3 HEATER4 HEATER5 J8 J10 TOP_SW1: "2 pos DF13 right angle surface mount connector", Supplier Part Number 1=H125743CT-ND, Supplier 1=Digi-Key
Buck-6V: "17V input 2A step-down converter MicroSiP module with integrated inductor", Supplier Part Number 1=296-48215-1-ND, ComponentLink1Description=Datasheet, ComponentLink1URL=http://www.ti.com/lit/ds/symlink/tps82140.pdf, Supplier 1=Digi-Key
C1 C7 C12 C12 C14 C14_ADC1 C18 C18_ADS79521: library part CAP0805, "0805 capacitor", Capacitance=10uF, Dielectric=X7R, Manufacturer=Murata, Manufacturer Part Number=GCM21BR70J106KE22K, Max Operating Temperature=125°C, Min Operating Temperature=-55°C, Supplier Part Number 1=490-14361-1-ND, Tolerance=10%, Voltage Rating (DC)=6.3V, Case/Package=0805, Depth=1.25mm, Lead Free="Lead Free", Length=2mm, Packaging="Tape and Reel", Pricing 1="1=0.42, 10=0.29, 100=0.1742, 500=0.13064, 1000=0.11031, 2500=0.10451, 5000=0.0987 (USD)", Stock 1=214938, Supplier 1=Digi-Key
C2 C3 C4 C8 C10 C10_ADC1 C41_Port_Expander1 C41_Port_Expander2 C45 C45 C46: library part CAP0402, "0402 capacitor", Capacitance=100nF, Case Code (Metric)=1005, Dielectric=X7R, Manufacturer="Taiyo Yuden", Manufacturer Part Number=EMK105B7104KVHF, Max Operating Temperature=125°C, Min Operating Temperature=-55°C, Package Quantity=10000, Ratings=AEC-Q200, Supplier Part Number 1=587-3807-1-ND, Tolerance=10%, Voltage Rating=16V, Case/Package=0402, Case Code (Imperial)=0402, Halogen Free="Halogen Free", Height=0.5mm, Lead Free="Lead Free", Length=0.039inch, Mount="Surface Mount", Packaging="Tape and Reel", Pricing 1="1=0.1, 10=0.057, 100=0.0254, 500=0.01812, 1000=0.01423, 2500=0.01294, 5000=0.0119 (USD)", Supplier 1=Digi-Key, Termination=SMD/SMT, Thickness=0.022inch, Voltage Rating (DC)=16V, Weight=2.3E-05oz, Width=0.02inch
  C2 C3 C4 C8 C10 C10_ADC1 C41_Port_Expander1 C41_Port_Expander2 C46: Stock 1=18196
  C45 C45: Stock 1=17496